# Altium PCB PCB.PcbDoc (continued)
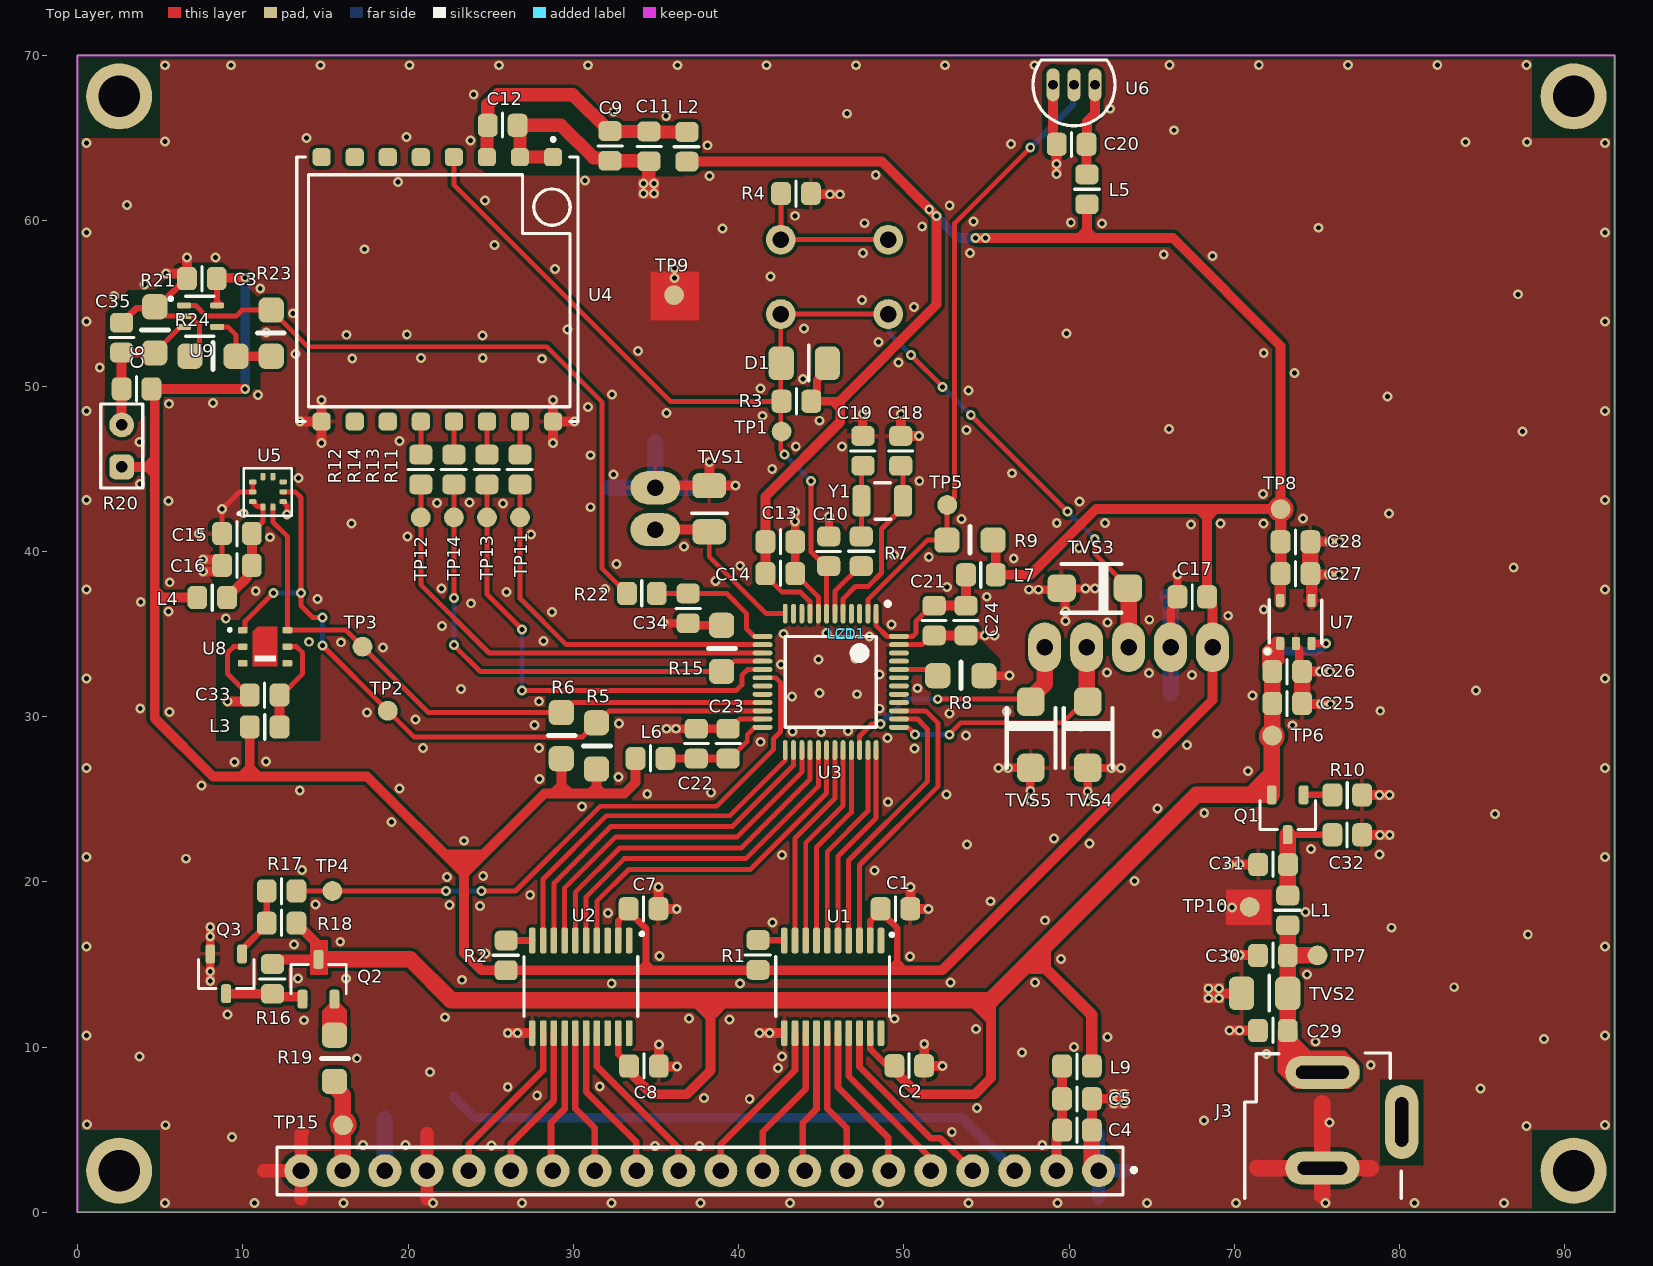
[diagram p0: Top Layer view]
## Nets (pads, with @x,y where several pads share a name; then routed paths per layer and width w, separated by ;. In a path a pad name is that pad's centre, name@x,y a point inside that pad or via, vN(x,y) a via of type N, cw(c..) or ccw(c..) an arc to the next point about the centre after c; other vN are vias at no path point)
+3V3: C1.1 C3.2 C6.1 C7.1 C13.2 C14.2 C17.2 C27.1 C28.1 D1.2 J2.1 L2.1 L3.2 L4.2 L5.2 L6.1 L7.1 R1.1 R2.1 R3.2 R5.2 R6.2 R9.2 R20.1 TP8.1 U1.2 U2.2 U3.9 U7.5 U9.5 | length 283.8
  Top Layer w0.3: C14.2 41.625,38.55 42.65,37.525 43.75,37.525 44.325,36.95 U3.9 ; C14.2@41.775,38.556 C14.2@41.775,38.575
  Top Layer w0.35: C3.2 8.45,56.475 U9.5
  Top Layer w0.4: U2.2 32.725,17.641 C7.1@33.33,18.245 ; C7.1@33.275,18.3 C7.1@33.33,18.245 ; C7.1 33.35,18.266 C7.1@33.33,18.245 ; 34.4,14.65 34.4,17.175 C7.1@33.33,18.245 ; U1.2 47.965,17.641 C1.1@48.59,18.266 ; C1.1 C1.1@48.59,18.266 ; 49.6,14.65 49.6,17.2 48.99,17.81 48.99,17.821 48.59,18.221 C1.1@48.59,18.266 ; TP8.1@72.212,42.55 cw(c72.795,42.55) 72.795,43.132 cw(c72.795,42.55) 73.377,42.55 cw(c72.795,42.55) 72.795,41.968 cw(c72.795,42.55) TP8.1@72.212,42.55
  Top Layer w0.5: D1.2 45.228,51.231 45.228,50.843 44.745,50.361 44.745,49.494 44.399,49.148 R3.2 46.125,49.075 46.15,49.1
  Top Layer w0.6: R20.1 4.655,45.105 4.675,45.125 ; C6.1 C6.1@4.675,49.825 ; L4.2 4.7,37.2 4.675,37.225 ; C3.2 8.475,56.55 v1(10.15,56.55) ; v1(10.15,49.825) C6.1@4.675,49.825 ; L3.2 10.425,26.4 10.45,26.375 ; R6.2 29.275,25.35 ; R5.2 31.4,25.375 31.375,25.35 ; L6.1 33.77,26.02 33.1,25.35 31.375,25.35 ; L2.1 48.675,63.575 v1(51.975,60.275) 51.975,54.925 46.15,49.1 46.15,47.835 41.625,43.31 C13.2 C14.2 ; v1(54.325,58.95) v1(54.95,58.95) 61.1,58.95 ; R9.2 55.56,40.512 L7.1 57.654,38.579 61.625,42.55 68.35,42.55 ; L5.2 61.075,58.975 61.1,58.95 ; 4.675,37.225 4.675,45.125 ; 4.675,37.225 4.675,29.9 8.2,26.375 10.45,26.375 ; 4.675,45.125 C6.1@4.675,49.825 ; 10.45,26.375 17.525,26.375 23.4,20.5 ; 23.4,20.5 28.25,25.35 29.275,25.35 ; 23.4,20.5 23.4,15.7 24.45,14.65 R2.1 34.4,14.65 49.6,14.65 52.325,14.65 68.681,31.006 J2.1 68.681,36.644 68.35,36.975 C17.2 68.35,42.55 ; 29.275,25.35 31.375,25.35 ; 61.1,58.95 66.275,58.95 72.795,52.43 72.795,43.132 TP8.1 72.212,42.55 68.35,42.55
  Top Layer w0.7: U7.5@72.77,36.875 U7.5 72.77,38.625 C27.1 C28.1 72.795,41.968 TP8.1
  Bottom Layer w0.6: v1(10.15,49.825) v1(10.15,56.55) ; v1(51.538,60.687) 53.275,58.95 v1(54.325,58.95) v1(54.95,58.95)
+5V: C2.2 C8.2 C25.1 C26.1 L9.1 Q1.2 Q2.3 R16.2 R18.2 TP6.1 U1.19 U2.19 U7.1 U7.3 | length 123
  Top Layer w0.4: U2.19 32.725,9.584 33.375,8.934 C8.2 ; U1.19 47.965,9.885 48.975,8.875 C2.2 ; 72.26,28.233 ccw(c72.26,28.815) 72.842,28.815 ccw(c72.26,28.815) 72.295,29.396 ccw(c72.26,28.815) 72.26,28.233
  Top Layer w0.5: C26.1 72.295,33.95 72.62,34.275 72.77,34.275 U7.1 ; U7.3 v1(75.545,34.425)
  Top Layer w0.6: R16.2 12.088,15.313 Q2.3 14.585,16.165 13.65,17.1 13.55,17.1 13.25,17.4 R18.2 ; C8.2 33.675,8.55 33.675,8.225 34.75,7.15 36.875,7.15 38.3,8.575 38.3,12.85 38.3,12.875 ; C2.2 49.725,8.575 49.725,8.275 50.85,7.15 54.3,7.15 55.275,8.125 55.275,12.85
  Top Layer w0.7: 57.875,15.45 61.375,11.95 L9.1
  Top Layer w1: Q2.3 20.137,15.313 22.6,12.85 38.3,12.85 55.275,12.85 57.875,15.45 67.688,25.263 Q1.2 72.26,28.233 72.26,28.815 TP6.1 72.295,29.396 C25.1 C26.1
  Bottom Layer w0.5: v1(71.995,33.95) 75.07,33.95 v1(75.545,34.425)
+5V_LCD: C4.1 C5.1 L9.2 LCD1.2 | length 6.5
  Top Layer w0.6: LCD1.2 59.245,4.424 59.275,4.453 59.275,4.675 C4.1 L9.2
ADC_PHOTO: R22.1 R23.2 U9.1 | length 40.2
  Top Layer w0.3: U9.1 7.15,54.875 7.8,54.225 9.6,54.225 9.975,54.6 11.719,54.6 R23.2 13.944,52.375 28.4,52.375 31.75,49.025 31.75,38.95 32.7,38 32.719,38 33.25,37.469 R22.1
DEBUG: J1.1 TVS1.2 U3.12 | length 10.7
  Top Layer w0.3: TVS1.2 38.225,39.675 41.675,36.225 U3.12
  Top Layer w0.6: J1.1 TVS1.2@38.097,41.306
GLCD_CS1_H: LCD1.15 U2.13 | length 9.4
  Top Layer w0.4: LCD1.15 26.225,4.175 28.825,6.775 U2.13
GLCD_CS2_H: LCD1.16 U2.12 | length 10.2
  Top Layer w0.4: LCD1.16 23.685,4.11 28.175,8.6 U2.12
GLCD_D0_H: LCD1.7 U1.15 | length 8.8
  Top Layer w0.4: U1.15 45.365,6.285 46.545,5.105 LCD1.7
GLCD_D1_H: LCD1.8 U1.14 | length 8.7
  Top Layer w0.4: LCD1.8 43.89,2.639 43.89,5.425 44.715,6.25 U1.14
GLCD_D2_H: LCD1.9 U1.13 | length 9.4
  Top Layer w0.4: LCD1.9 41.465,4.875 44.065,7.475 U1.13
GLCD_D3_H: LCD1.10 U1.12 | length 10.2
  Top Layer w0.4: LCD1.10 38.925,4.11 43.415,8.6 U1.12
GLCD_D4_H: LCD1.11 U2.17 | length 10.4
  Top Layer w0.4: U2.17 31.425,8.825 36.361,3.889 36.361,2.548 LCD1.11
GLCD_D5_H: LCD1.12 U2.16 | length 9.6
  Top Layer w0.4: U2.16 30.775,7.3 33.811,4.264 33.811,2.558 LCD1.12
GLCD_D6_H: LCD1.13 U2.15 | length 8.8
  Top Layer w0.4: U2.15 30.125,6.275 31.305,5.095 LCD1.13
GLCD_D7_H: LCD1.14 U2.14 | length 8.7
  Top Layer w0.4: LCD1.14 28.65,2.639 28.65,5.425 29.475,6.25 U2.14
GLCD_EN_H: LCD1.6 U1.16 | length 9.6
  Top Layer w0.4: U1.16 46.015,7.575 49.051,4.539 49.051,2.558 LCD1.6
GLCD_RS_H: LCD1.4 U1.18 | length 11.5
  Top Layer w0.4: U1.18 47.315,8.81 51.65,4.475 52.214,4.475 LCD1.4
GLCD_RW_H: LCD1.5 U1.17 | length 10.4
  Top Layer w0.4: U1.17 46.665,8.235 51.625,3.275 LCD1.5
GLCD_V0: LCD1.3 PR1.2 | length 35.8
  Bottom Layer w0.6: PR1.2 24,5.725 53.504,5.725 LCD1.3
GLCD_VEE: LCD1.18 PR1.3 | length 3.3
  Bottom Layer w0.6: PR1.3 PR1.3@18.605,5.659
  Bottom Layer w1: LCD1.18 PR1.3@18.605,5.659
GND: C1.2 C2.1 C3.1 C4.2 C5.2 C7.2 C8.1 C9.1 C10.1 C11.1 C12.1 C13.1 C14.1 C15.1 C16.1 C17.1 C18.1 C19.1 C20.1 C21.2 C22.2 C23.2 C24.2 C25.2 C26.2 C27.2 C28.2 C29.2 C30.2 C31.2 C32.2 C33.1 C34.1 C35.2 J1.2 J2.2 J3.2 LCD1.1 LCD1.17 LCD1.20 PR1.1 Q3.2 R4.1 R8.2 R10.1 R15.1 R21.1 R24.1 TP9.1 TP10.1 TVS1.1 TVS2.1 TVS3.1 TVS4.1 TVS5.1 U1.11 U2.11 U3.8 U3.23 U3.47 U4.1 U4.2 U4.9 U4.16 U5.3 U5.8 U5.9 U6.1 U7.2 U7.4 U8.2 U9.2 | length 227.4
  Top Layer w0.3: R21.1 4.8,54.794 5.369,54.225 U9.2 6.844,54.225 7.375,53.694 7.375,52.497 6.803,51.925 R24.1 ; C16.1 8.75,39.5 C15.1 v1(8.75,42.55) 9.8,43.6 U5.9 U5.8 ; U8.2 9.45,34.231 9.075,33.856 9.075,32.581 C33.1@10.387,31.269 ; U5.3 12.675,42.77 v1(12.675,42.225) ; C23.2 39.503,29.262 40.09,29.849 U3.23 ; C14.1 44.825,37.25 U3.8 ; U3.47 51.111,34.349 51.672,34.909 C21.2
  Top Layer w0.4: C35.2@2.721,53.825 3.175,54.279 3.175,54.325 3.547,54.697 4.578,54.697 R21.1 ; R21.1@4.8,54.794 4.869,54.794 6.137,56.062 6.233,56.062 6.625,56.454 C3.1 C3.1@6.625,56.575 ; C3.1@6.55,56.8 6.625,56.8 C3.1@6.671,56.8 ; TP9.1@36.125,56.082 cw(c36.1,55.5) 36.682,55.5 cw(c36.1,55.5) TP9.1@36.125,56.082 ; TP10.1@70.343,18.45 cw(c70.925,18.475) 71.507,18.475 cw(c70.925,18.475) TP10.1@70.343,18.45
  Top Layer w0.5: v1(8.035,14.013) v1(8.035,14.588) Q3.2 v1(8.035,16.7) v1(8.035,17.275) ; v1(35.45,35.65) C34.1 37.078,35.522 R15.1 ; v1(35.644,29.262) v1(36.219,29.262) C22.2 C23.2 ; C14.1 C13.1 v1(43.425,41.806) v1(43.425,42.381) ; C10.1 45.475,40.922 v1(45.475,42.1) ; C24.2 v1(54.914,34.909) v1(55.489,34.909) ; R8.2 v1(56.4,32.475) ; v1(55.719,26.9) v1(56.294,26.9) TVS5.1@57.45,26.9 ; v1(57.569,37.675) v1(58.144,37.675) TVS3.1@59.3,37.675 ; v1(57.65,24.919) v1(57.65,25.494) TVS5.1@57.65,26.65 ; v1(59.775,35.794) v1(59.775,36.369) TVS3.1@59.775,37.525 ; TVS3.1@59.825,37.75 v1(60.981,37.75) v1(61.556,37.75) ; v1(61.125,24.894) v1(61.125,25.469) TVS4.1@61.125,26.625 ; TVS4.1@61.4,26.893 v1(62.556,26.893) v1(63.131,26.893) ; J2.2 66.141,36.539 66.55,36.948 C17.1 v1(66.55,38.6) ; U7.2 73.72,34.275 73.916,34.079 73.916,32.904 C26.2 ; C27.2 C27.2@74.67,38.575
  Top Layer w0.6: v1(5.35,56.8) C3.1@6.55,56.8 ; C3.1@6.625,56.575 6.625,56.8 v1(6.625,57.775) ; v1(7.6,38.775) C16.1@8.9,38.775 ; v1(7.6,39.5) 8.75,39.5 C16.1@8.9,39.5 ; v1(9.075,30.9) C33.1@10.375,30.9 ; v1(13.475,47.85) U4.9 ; v1(14.775,46.55) U4.9 ; v1(14.775,49.15) U4.9 ; v1(26.035,10.85) v1(26.635,10.85) U2.11@27.41,10.85 ; v1(28.775,46.55) U4.16 ; v1(28.775,49.15) U4.16 ; v1(30.075,47.85) U4.16 ; J1.2 35.085,43.972 TVS1.1 38.229,43.968 38.236,43.975 v1(39.825,43.975) ; v1(35.16,19.696) 35.16,18.365 35.164,18.361 v1(36.26,18.361) ; v1(35.185,10.171) 35.185,8.84 35.189,8.836 v1(36.285,8.836) ; TP9.1@36.125,55.75 36.125,56.082 v1(36.125,56.525) v1(36.125,57.125) ; TVS1.1@38.236,44.314 v1(38.236,45.41) ; v1(41.275,10.85) v1(41.875,10.85) U1.11@42.65,10.85 ; R4.1@44.75,61.6 v1(45.525,61.6) v1(46.125,61.6) ; C19.1@47.514,46.967 v1(47.514,48.298) ; v1(49.825,48.298) 49.825,46.967 49.829,46.963 v1(50.925,46.963) ; v1(50.4,19.696) 50.4,18.365 50.404,18.361 v1(51.5,18.361) ; v1(51.235,10.196) 51.235,8.865 51.239,8.861 v1(52.335,8.861) ; C21.2 C24.2 ; U6.1 59.025,64.85 C20.1 ; v1(59.225,62.825) v1(59.225,63.425) C20.1@59.225,64.2 ; LCD1.1@61.375,2.934 LCD1.1 ; C4.2@61.375,4.875 C4.2 C5.2 61.378,6.878 62.953,6.878 62.981,6.906 ; 68.706,13.281 68.734,13.253 70.428,13.253 TVS2.1 ; v1(69.25,18.45) v1(69.85,18.45) 70.343,18.45 TP10.1@70.625,18.45 ; v1(69.7,11) v1(70.3,11) C29.2@71.075,11 ; v1(69.7,15.575) v1(70.3,15.575) C30.2@71.075,15.575 ; v1(69.7,21.039) v1(70.3,21.039) C31.2@71.075,21.039 ; C26.2@74.4,32.725 v1(75.175,32.725) v1(75.775,32.725) ; C25.2@74.45,30.75 v1(75.225,30.75) v1(75.825,30.75) ; C27.2@74.95,38.6 v1(75.725,38.6) v1(76.325,38.6) ; C28.2@74.975,40.6 v1(75.75,40.6) v1(76.35,40.6) ; R10.1@78,25.25 v1(78.775,25.25) v1(79.375,25.25) ; C32.2@78.025,22.825 v1(78.8,22.825) v1(79.4,22.825)
  Top Layer w0.7: U7.4@74.67,36.855 U7.4 C27.2@74.67,38.575
  Top Layer w0.8: 11.268,2.525 LCD1.20@13.525,2.525 ; 13.525,0.825 LCD1.20 13.525,4.781 13.62,4.875 ; 21.145,0.825 LCD1.17 21.145,4.781 ; U4.1 U4.2 26.775,65.625 C12.1 29.25,65.775 31.225,63.8 32.05,63.8 C9.1 34.55,63.625 C11.1 34.569,63.594 34.569,62.019 34.525,61.975 ; 62.981,6.906 63.025,6.95 ; 68.706,13.281 68.75,13.325
  Top Layer w1: LCD1.1@61.375,2.934 C4.2@61.375,4.875 ; 71.375,2.7 71.4,2.675 J3.2 ; C25.2 C26.2 ; C27.2 C28.2 ; 75.325,1 J3.2 ; 75.325,6.6 J3.2 ; 78.25,2.675 J3.2
  Bottom Layer w0.8: 11.268,2.525 LCD1.20@13.525,2.525 ; 13.525,0.825 LCD1.20 13.525,4.781 ; 21.145,0.825 LCD1.17 21.145,4.781 ; 61.785,0.825 LCD1.1 ; 61.785,4.781 LCD1.1 ; 63.484,2.524 LCD1.1
  Bottom Layer w1: 32.193,43.846 J1.2 ; 34.959,46.611 J1.2 ; 37.724,43.846 J1.2 ; 65.95,37.25 66.141,37.059 J2.2 66.141,31.425 ; 71.4,2.675 J3.2 ; 75.325,1 J3.2 ; 75.325,6.6 J3.2 ; 78.25,2.675 J3.2
  other v1: 5.3,0.575 10.7,0.575 16.1,0.575 21.5,0.575 26.9,0.575 32.3,0.575 37.7,0.575 43.1,0.575 48.5,0.575 53.9,0.575 59.3,0.575 64.7,0.575 70.1,0.575 75.5,0.575 80.9,0.575 86.3,0.575 34.95,4.025 37.625,4.025 25.05,4.045 17.275,4.075 19.845,4.075 58.375,4.075 9.35,4.55 52.9,4.875 87.675,5.225 5.325,5.275 92.425,5.3 0.575,5.329 75.75,5.45 68.15,5.55 54.425,6.325 62.706,6.581 63.331,6.581 40.675,6.85 37.9,6.925 27.818,7.075 62.706,7.181 63.331,7.181 84.9,7.5 26.035,7.575 31.6,7.625 21.325,8.5 42.375,8.725 78.25,8.925 16.9,9.325 3.75,9.445 42.638,9.445 71.95,9.575 57.15,9.677 60.3,10 74.9,10.325 88.725,10.499 62.325,10.625 0.55,10.7 92.425,10.7 54.375,11.1 13.7,11.625 39.45,11.675 49.425,11.718 36.991,11.741 22.25,11.808 9.075,11.975 68.431,12.956 69.056,12.956 68.431,13.556 69.056,13.556 83.3,13.625 32.325,13.85 40.075,13.85 52.825,13.904 57.925,13.9 23.275,14.075 13.35,14.162 16.25,14.146 74.4,14.4 59.5,15.341 50.375,15.488 35.225,15.52 24.7,15.658 0.55,16.1 92.425,16.1 13.1,16.2 15.9,16.375 87.75,16.825 79.5,17.225 42.05,17.55 58.55,17.675 32.107,18.125 74.295,18.175 24.344,18.55 22.507,18.6 14.4,18.625 55.25,18.825 27.395,19.2 63.95,20.05 22.35,20.3 24.55,20.35 48.225,20.675 13.575,20.725 6.575,21.4 0.55,21.5 92.425,21.5 42.638,21.625 78.775,21.645 74.637,22 53.825,22.25 61.225,22.325 23.375,22.486 59.079,22.63 19,23.625 85.775,24.1 68.175,24.175 65.35,24.45 30.525,24.55 49.05,24.825 52.575,25.275 34.475,25.325 38.325,25.4 13.45,25.525 19.475,25.659 7.5,25.825 27.95,26.213 32.725,26.332 70.828,26.7 0.55,26.9 92.425,26.9 9.5,27.25 11.415,27.275 50.65,28.075 20.9,28.1 27.925,28.1 67.125,28.275 41.325,28.475 49.016,28.7 53.75,28.85 65.325,28.962 45,29.05 43.275,29.1 46.625,29.125 60.725,29.4 73.506,29.475 27.646,29.5 32.775,29.569 20.45,29.825 52.75,30.184 17.525,30.246 5.563,30.275 56.225,30.3 78.825,30.35 48.525,30.475 3.8,30.5 27.925,30.925 43.225,31.218 71.1,31.275 47.175,31.35 44.889,31.425 84.625,31.579 23.2,31.675 50.826,31.712 0.55,32.3 92.425,32.3 67.425,32.521 48.525,32.55 64.825,32.625 62.3,32.675 42.56,33.15 44.825,33.454 47.075,33.5 18.475,34.175 15.95,34.495 14.021,34.525 28.2,34.575 47.915,34.835 42.725,35.01 45.326,35.05 22.05,35.483 49.25,35.575 62.325,35.7 64.85,35.86 8.975,35.925 69.625,36.1 28.7,36.325 5.52,36.35 71.775,36.475 23.8,36.855 3.831,36.925 14.525,37.108 55.016,37.25 25.968,37.525 10.789,37.6 0.55,37.7 31.909,37.716 92.425,37.7 22.025,37.74 52.606,37.84 5.585,38.125 38.6,38.21 86.9,39.025 40.1,39.125 32.625,39.225 56.65,39.575 51.508,39.65 49.415,39.775 60.6,40.2 36.7,40.3 11.655,40.85 19.975,40.9 27.45,41.025 7.35,41.075 67.363,41.625 69.15,41.675 71.757,41.675 16.575,41.691 59.25,41.71 62.175,41.71 53.5,41.95 74.15,41.975 10.055,42.3 79.35,42.294 31.05,42.666 25.75,42.9 21.75,42.925 23.725,42.951 60.625,43.025 5.52,43.05 0.55,43.1 92.425,43.1 71.725,43.475 3.775,44.075 50.934,44.25 13.387,44.425 32.425,44.64 56.55,44.721 42.035,44.975 31.05,45.811 43.462,46.345 46.25,46.35 3.75,46.6 19.475,46.679 87.425,47.25 53.8,47.35 66.034,47.4 44.9,47.9 41.443,48.2 35.65,48.375 0.55,48.5 92.425,48.5 30.9,48.725 5.55,48.925 8.2,48.975 79.275,49.375 10.935,49.45 32.352,49.494 53.9,49.725 41.325,49.85 43.896,50.425 73.625,50.775 1.35,51.125 49.688,51.425 28.1,51.65 16.625,51.675 20.775,51.7 24.523,51.7 13.194,51.925 71.775,52 33.91,52.125 48.475,52.675 24.5,53.05 16.275,53.1 19.925,53.126 59.85,53.175 11.425,53.225 29.65,53.42 43.95,53.475 0.55,53.9 92.425,53.9 13.05,54.4 50.615,54.775 47.462,55.2 2.2,55.45 87.15,55.55 11.06,55.9 4.066,56.15 41.929,56.625 28.9,57.075 8.35,57.775 68.681,57.875 65.725,57.95 47.525,58.05 54.005,58.05 17.375,58.275 25.225,58.525 0.55,59.3 92.425,59.3 39.025,59.525 75.1,59.575 51.111,59.65 61.985,59.825 47.625,59.85 60.1,59.89 54.225,59.965 43.406,60.3 52.775,60.925 3,60.95 24.65,61.225 34.25,61.65 34.875,61.65 34.25,62.25 34.875,62.25 19.4,62.35 30.7,62.425 38.25,62.7 48.3,62.76 38.125,64.565 56.475,64.65 0.55,64.7 92.425,64.7 83.975,64.752 87.7,64.775 5.3,64.8 23.775,64.85 13.85,65 19.9,65.058 66.35,65.475 35.623,66.325 46.559,66.475 32.425,66.6 62.475,66.775 23.975,67.65 5.3,69.407 9.3,69.407 14.7,69.407 20.1,69.407 25.5,69.407 30.9,69.407 36.3,69.407 41.7,69.407 47.1,69.407 52.5,69.407 57.9,69.407 66.075,69.425 71.475,69.425 76.875,69.425 82.275,69.425 87.675,69.425
I2C_SCL: R6.1 TP3.1 U3.21 U5.2 U8.6 | length 38.9
  Top Layer w0.3: U5.2 11.825,41.775 12.7,40.9 U8.6 16.244,35.231 21.228,30.247 R6.1 29.4,30.247 30.002,30.849 U3.21
I2C_SDA: R5.1 TP2.1 U3.22 U5.4 U8.1 | length 45.3
  Top Layer w0.3: U8.1 10.15,35.381 10.15,35.775 v1(11.85,37.475) ; U5.4 13.175,43.6 13.525,43.25 v1(13.525,37.475) 13.525,36.7 14.225,36 v1(14.825,36) ; v1(14.825,34.3) TP2.1 20.35,28.775 30.553,28.775 R5.1 31.461,29.622 32.188,30.349 U3.22
  Bottom Layer w0.3: v1(11.85,37.475) v1(13.525,37.475) ; v1(14.825,34.3) v1(14.825,36)
LCD_BRIGHT: R17.1 TP4.1 U3.18 | length 37.9
  Top Layer w0.3: R17.1 TP4.1 v1(22.3,19.45) ; v1(24.45,19.45) 26.5,19.45 31.625,24.575 38.675,24.575 42.125,28.025 42.125,28.675 42.548,29.098 42.548,32.052 42.251,32.349 U3.18
  Bottom Layer w0.3: v1(22.3,19.45) v1(24.45,19.45)
LCD_CS1: U2.8 U3.26 | length 21.8
  Top Layer w0.3: U2.8 28.825,19.902 32.273,23.35 39.623,23.35 43.325,27.052 U3.26
LCD_CS2: U2.9 U3.25 | length 22
  Top Layer w0.3: U2.9 28.175,20.171 32.004,24 39.475,24 42.825,27.35 U3.25
LCD_D0: U1.6 U3.35 | length 12.5
  Top Layer w0.3: U1.6 45.365,21.823 47.825,24.283 U3.35
LCD_D1: U1.7 U3.33 | length 12.4
  Top Layer w0.3: U1.7 44.715,22.092 46.825,24.202 U3.33
LCD_D2: U1.8 U3.32 | length 12.5
  Top Layer w0.3: U1.8 44.065,22.361 46.325,24.621 U3.32
LCD_D3: U1.9 U3.31 | length 12.5
  Top Layer w0.3: U1.9 43.415,22.63 45.825,25.04 U3.31
LCD_D4: U2.4 U3.30 | length 21.6
  Top Layer w0.3: U2.4 31.425,18.825 33.35,20.75 40.7,20.75 45.325,25.375 U3.30
LCD_D5: U2.5 U3.29 | length 21.6
  Top Layer w0.3: U2.5 30.775,19.094 33.081,21.4 40.431,21.4 44.825,25.794 U3.29
LCD_D6: U2.6 U3.28 | length 21.7
  Top Layer w0.3: U2.6 30.125,19.363 32.812,22.05 40.162,22.05 44.325,26.213 U3.28
LCD_D7: U2.7 U3.27 | length 21.8
  Top Layer w0.3: U2.7 29.475,19.633 32.542,22.7 39.892,22.7 43.825,26.633 U3.27
LCD_EN: U1.5 U3.36 | length 12.5
  Top Layer w0.3: U1.5 46.015,21.553 48.325,23.863 U3.36
LCD_RS: U1.3 U3.39 | length 17.8
  Top Layer w0.3: U1.3 47.315,21.015 52.075,25.775 52.075,29.6 51.326,30.349 U3.39
LCD_RW: U1.4 U3.38 | length 16.7
  Top Layer w0.3: U1.4@46.65,16.45 46.65,21.29 51.425,26.065 51.425,29.25 50.826,29.849 U3.38
LED_A: LCD1.19 R19.2 TP15.1 | length 9.8
  Top Layer w0.3: 16.065,4.659 ccw(c16.065,5.329) 16.736,5.329 ccw(c16.065,5.329) 16.065,5.999 ccw(c16.065,5.329) 16.065,4.659
  Top Layer w1: R19.2 15.55,7.6 16.065,7.085 16.065,5.999 TP15.1 16.065,4.659 LCD1.19
NetC6_2: C6.2 C35.1 R20.2 R21.2 U9.3 | length 8.8
  Top Layer w0.3: R21.2 4.675,52.029 6.175,53.529 6.175,53.55 6.2,53.575 U9.3
  Top Layer w0.6: R20.2 C6.2 C35.1 2.686,52.014 4.661,52.014 R21.2
NetC9_2: C9.2 C11.2 C12.2 L2.2 U4.3 | length 16.4
  Top Layer w0.8: U4.3 24.775,65.725 C12.2 24.825,67.025 25.425,67.625 29.975,67.625 32.2,65.4 C9.2 32.25,65.4 C11.2 34.6,65.375 L2.2
NetC15_2: C15.2 C16.2 L4.1 U5.1 U5.10 | length 7.3
  Top Layer w0.3: C15.2 10.55,41.126 11.225,41.801 U5.1 11.225,42.714 10.891,42.714 10.68,42.925 10.68,43 U5.10
  Top Layer w0.6: L4.1 9.05,37.3 9.35,37.6 9.45,37.6 10.25,38.4 10.25,39.175 10.55,39.475 C15.2
NetC19_2: C19.2 R7.1 Y1.2 | length 4.3
  Top Layer w0.3: R7.1 47.425,43.05 47.425,45.078 C19.2
NetC20_2: C20.2 L5.1 U6.3 | length 5.6
  Top Layer w0.6: L5.1 61.062,62.813 61.062,64.613 C20.2 61.075,64.65 61.075,66 61.565,66.49 U6.3
NetC21_1: C21.1 C24.1 L7.2 U3.1 U3.48 | length 9.5
  Top Layer w0.3: U3.1 48.325,35.5 48.976,34.849 U3.48 50.524,34.849 50.725,35.05 50.725,35.75 51.684,36.709 C21.1
  Top Layer w0.6: C21.1 C24.1 53.758,38.577 L7.2
NetC22_1: C22.1 C23.1 L6.2 U3.24 | length 6.9
  Top Layer w0.3: C23.1@39.426,27.401 40.525,28.5 40.525,28.9 40.974,29.349 U3.24
  Top Layer w0.5: L6.2 C22.1 39.362,27.464 C23.1
NetC29_1: C29.1 C30.1 J3.1 L1.1 TP7.1 TVS2.2 | length 11.9
  Top Layer w0.3: C29.1 73.582,10.643 73.582,10.218 74.051,9.749 74.051,9.26 74.836,8.475 J3.1
  Top Layer w1: C29.1 C30.1 ; L1.1 C30.1 ; TP7.1 C30.1
NetC31_1: C31.1 C32.1 L1.2 Q1.3 | length 6.4
  Top Layer w0.4: Q1.3 C32.1
  Top Layer w1: L1.2 73.225,21.039 C31.1 73.225,21.061 Q1.3
NetC33_2: C33.2 L3.1 U8.5 | length 6.1
  Top Layer w0.3: C33.2@12.312,31.269 13.625,32.581 13.625,33.856 13.25,34.231 U8.5
  Top Layer w0.6: L3.1 C33.2
NetC34_2: C34.2 R22.2 U3.13 | length 8
  Top Layer w0.3: R22.2 C34.2 39.275,37.45 40.475,36.25 40.475,35.325 40.951,34.849 U3.13
NetQ1_1: Q1.1 R10.2 | length 1.7
  Top Layer w0.4: Q1.1 R10.2
NetQ2_1: Q2.1 Q3.3 R16.1 | length 4.8
  Top Layer w0.6: Q3.3 11.794,13.231 R16.1 R16.1@11.806,13.231 ; R16.1@11.8,13.05 13.62,13.05 Q2.1
NetQ2_2: Q2.2 R19.1 | length 2.2
  Top Layer w0.6: R19.1 Q2.2
NetQ3_1: Q3.1 R17.2 R18.1 | length 4.8
  Top Layer w0.4: Q3.1 9.965,15.919 10.065,16.019 10.069,16.019 11.45,17.4 R18.1 ; R18.1@11.2,17.75 R18.1 ; R17.2 R18.1
NetR1_2: R1.2 U1.10 | length 1.6
  Top Layer w0.4: R1.2@41.179,16.463 42.765,16.463 U1.10
NetR2_2: R2.2 U2.10 | length 1.6
  Top Layer w0.4: R2.2 U2.10
NetR4_2: R4.2 SW1.1 SW1.2 | length 9.3
  Top Layer w0.3: R4.2 42.574,58.878 SW1.2 SW1.1
NetR8_1: R8.1 U3.44 | length 2.5
  Top Layer w0.3: U3.44 51.676,32.849 R8.1
NetR11_2: R11.2 U4.15 | length 2
  Top Layer w0.3: R11.2 U4.15
NetR12_2: R12.2 U4.12 | length 2
  Top Layer w0.3: R12.2 U4.12
NetR13_2: R13.2 U4.14 | length 2
  Top Layer w0.3: R13.2 U4.14
NetR14_2: R14.2 U4.13 | length 2
  Top Layer w0.3: R14.2 U4.13
NetR23_1: R23.1 R24.2 U9.4 | length 4.8
  Top Layer w0.3: U9.4 9.1,53.575 9.6,53.075 9.6,51.803 R24.2
  Top Layer w0.6: R24.2 R23.1
nRESET: C10.2 D1.1 J2.3 R3.1 SW1.3 SW1.4 TP1.1 TVS3.2 U3.7 U4.4 | length 79.7
  Top Layer w0.3: U4.4 22.775,62.175 35.875,49.075 R3.1@42.553,49.075 ; R3.1 R3.1@42.553,49.075 ; v1(42.775,45.855) 42.775,45.936 42.553,46.158 42.553,47.2 TP1.1 42.553,47.3 R3.1@42.553,49.075 ; v1(44.38,44.25) 44.38,39.97 C10.2@45.352,38.998 ; C10.2@44.996,39.539 45.435,39.1 C10.2 45.325,38.972 U3.7 ; SW1.3 SW1.4 R3.1@42.553,49.075 ; v1(50.425,51.875) v1(52.35,49.95) ; v1(54.05,48.25) v1(59.899,42.401) ; v1(61.55,40.75) 61.55,39.85 TVS3.2@63.601,37.799
  Top Layer w1: J2.3 TVS3.2@63.601,37.799
  Bottom Layer w0.3: v1(42.775,45.855) v1(44.38,44.25) ; SW1.3 49.118,54.29 49.118,53.182 v1(50.425,51.875) ; v1(52.35,49.95) v1(54.05,48.25) ; v1(59.899,42.401) v1(61.55,40.75)
OSC_IN: C18.2 U3.5 Y1.1 | length 11
  Top Layer w0.3: U3.5 46.325,37.125 47.075,37.875 47.843,37.875 48.65,38.682 48.65,41.35 49.95,42.65 Y1.1 49.95,45.043 C18.2
OSC_OUT: R7.2 U3.6 | length 3.6
  Top Layer w0.3: U3.6 45.825,37.575 47.35,39.1 R7.2
OWIRE: R9.1 TP5.1 U3.2 U6.2 | length 37.9
  Top Layer w0.3: U3.2 47.825,37.075 51.425,40.675 R9.1 52.603,42.778 TP5.1 53.075,43.25 53.075,59.85 v1(57.65,64.425)
  Bottom Layer w0.4: v1(57.65,64.425) 60.245,67.02 60.245,68.175 U6.2
SPI_CS: R11.1 TP11.1 U3.14 | length 22.7
  Top Layer w0.3: R11.1 TP11.1 26.775,37.15 29.576,34.349 U3.14
SPI_MISO: R14.1 R15.2 TP14.1 U3.16 | length 29.4
  Top Layer w0.3: v1(22.775,34.325) 24.372,32.728 R15.2 39.1,32.728 39.721,33.349 U3.16 ; v1(22.775,37.162) TP14.1 ; R14.1 TP14.1 ; TP14.1@22.875,42.05 TP14.1
  Bottom Layer w0.3: v1(22.775,34.325) v1(22.775,37.162)
SPI_MOSI: R13.1 TP13.1 U3.17 | length 28.8
  Top Layer w0.3: R13.1 TP13.1 24.775,37.4 v1(26.9,35.275) ; v1(26.9,31.575) 39.855,31.575 40.2,31.92 40.2,32.5 40.549,32.849 U3.17
  Bottom Layer w0.3: v1(26.9,31.575) v1(26.9,35.275)
SPI_SCK: R12.1 TP12.1 U3.15 | length 28.5
  Top Layer w0.3: R12.1 TP12.1 20.775,37.975 24.901,33.849 U3.15
SWCLK: J2.4 TVS4.2 U3.37 | length 15.6
  Top Layer w0.3: U3.37 50.251,29.349 v1(50.675,28.925) ; v1(52.75,28.9) 52.75,28.925 53.45,29.625 59.618,29.625 TVS4.2@61.061,31.068
  Top Layer w1: TVS4.2@61.061,31.068 J2.4
  Bottom Layer w0.3: v1(50.675,28.925) 52.775,28.925 v1(52.75,28.9)
SWDIO: J2.5 TVS5.2 U3.34 | length 15.1
  Top Layer w0.3: U3.34 47.325,28.825 48.051,29.551 v1(48.577,29.551) ; v1(52.05,31.05) TVS5.2@57.225,31.05
  Top Layer w1: TVS5.2@57.675,31.132 58.521,31.978 J2.5
  Bottom Layer w0.3: v1(48.577,29.551) 50.076,31.05 v1(52.05,31.05)
pads on no net: J3.3 LCD1.MH1 LCD1.MH2 LCD1.MH3 LCD1.MH4 U1.1 U1.20 U2.1 U2.3 U2.18 U2.20 U3.3 U3.4 U3.10 U3.11 U3.19 U3.20 U3.40 U3.41 U3.42 U3.43 U3.45 U3.46 U4.5 U4.6 U4.7 U4.8 U4.10 U4.11 U5.5 U5.6 U5.7 U8.3 U8.4

## Polygon pours and split planes (outlines as drawn)
GND on Bottom Layer "BOTTOM_GND" (solid, remove dead copper, pour order 8): 0,0 93,0 93,69.999 92.999,70 0,70
no net on Bottom Layer "BOTTOM_GND" (solid, pour order 2): 29.065,2.726
GND on Top Layer "TOP_GND" (solid, remove dead copper, pour order 6): 0.001,69.999 93,69.999 93,0 0,0
no net on Top Layer "TOP_GND" (solid, remove dead copper, pour order 4): -72.985,45.324

## Keep-outs
Keep-Out Layer:
  lines w0.1: 0,70 0,0 93,0 93,70 ; 0.001,69.999 93,69.999

## Other copper
Top Layer:
  rectangle net GND: 34.675,53.95 37.6,56.925
  rectangle net GND: 69.5,17.375 72.234,19.525
  rectangle net +5V: 14.075,14.35 15.15,16.475
  rectangle net GND: 68.131,12.656 69.356,13.856
  rectangle net GND: 62.406,6.281 63.631,7.481
  rectangle net GND: 33.95,61.35 35.175,62.55
  pour cut-out: 8.75,38.11 7.55,38.11 7.55,36.29 8.75,36.29
  pour cut-out: 37.678,27.225 37.678,28.425 35.859,28.425 35.859,27.225
  pour cut-out: 35.715,27.85 35.715,26.65 37.535,26.65 37.535,27.85
  pour cut-out: 37.515,27.873 37.515,26.673 39.335,26.673 39.335,27.873
  pour cut-out: 60.165,62.5 60.165,61.3 61.985,61.3 61.985,62.5
  pour cut-out: 44.074,62.56 42.874,62.56 42.874,60.74 44.074,60.74
  pour cut-out: 32.615,63.975 32.615,62.775 34.435,62.775 34.435,63.975
  pour cut-out: 34.84,63.9 34.84,62.7 36.66,62.7 36.66,63.9
  pour cut-out: 35.965,65.075 35.965,63.875 37.785,63.875 37.785,65.075
  pour cut-out: 36.65,38.36 35.45,38.36 35.45,36.54 36.65,36.54
  pour cut-out: 34.75,38.36 33.55,38.36 33.55,36.54 34.75,36.54
  pour cut-out: 35.27,28.374 34.07,28.374 34.07,26.554 35.27,26.554
  pour cut-out: 12.716,13.531 12.716,14.731 10.896,14.731 10.896,13.531
  pour cut-out: 12.95,20.36 11.75,20.36 11.75,18.54 12.95,18.54
  pour cut-out: 14.06,19.45 10.64,19.45 10.64,16.59 14.06,16.59
  pour cut-out: 34.885,9.75 33.685,9.75 33.685,7.93 34.885,7.93
  pour cut-out: 50.925,9.785 49.725,9.785 49.725,7.965 50.925,7.965
  pour cut-out: 50.09,19.285 48.89,19.285 48.89,17.465 50.09,17.465
  pour cut-out: 40.269,16.163 40.269,14.963 42.089,14.963 42.089,16.163
  pour cut-out: 34.85,19.285 33.65,19.285 33.65,17.465 34.85,17.465
  pour cut-out: 26.849,14.95 26.849,16.15 25.029,16.15 25.029,14.95
  pour cut-out: 44.099,50.058 42.899,50.058 42.899,48.238 44.099,48.238
  pour cut-out: 48.434,45.477 48.434,46.677 46.615,46.677 46.615,45.477
  pour cut-out: 50.725,45.477 50.725,46.677 48.905,46.677 48.905,45.477
  pour cut-out: 66.85,36.34 68.05,36.34 68.05,38.16 66.85,38.16
  pour cut-out: 73.095,37.74 74.295,37.74 74.295,39.56 73.095,39.56
  pour cut-out: 73.095,39.665 74.295,39.665 74.295,41.485 73.095,41.485
  pour cut-out: 72.595,29.89 73.795,29.89 73.795,31.71 72.595,31.71
  pour cut-out: 71.736,20.14 72.936,20.14 72.936,21.96 71.736,21.96
  pour cut-out: 76.225,24.353 77.425,24.353 77.425,26.173 76.225,26.173
  pour cut-out: 76.225,21.94 77.425,21.94 77.425,23.76 76.225,23.76
  pour cut-out: 72.315,18.875 72.315,17.675 74.135,17.675 74.135,18.875
  pour cut-out: 70.56,15.15 70.56,10.84 71.342,10.058 73.273,10.058 73.273,16.473 73.314,16.514 71.125,16.514
  pour cut-out: 59.875,9.76 59.889,9.746 61.375,9.746 61.375,4.591 61.203,4.763 59.525,4.763
  pour cut-out: 53.248,37.72 53.298,37.669 55.26,37.669 56.07,38.479 56.07,39.44 53.415,39.44 53.2,39.225
  pour cut-out: 50.524,34.849 54.483,34.849 55.872,33.459 55.872,31.715 55.207,31.05 52.05,31.05 52.05,31.7 50.775,32.975
  pour cut-out: 42.256,34.849 43.75,36.343 43.75,38.325 41.111,38.325 39.741,36.955 40.09,36.606 40.09,34.835
  pour cut-out: 20.375,43.24 27.132,43.24 27.646,43.754 27.646,46.345 27.331,46.66 20.219,46.66 19.904,46.345 19.904,43.555
  pour cut-out: 28.302,31.625 28.302,25.692 28.694,25.3 32.5,25.3 32.5,31.175 32,31.675
  pour cut-out: 8.374,35.865 14.707,35.865 14.707,28.514 8.376,28.514
  pour cut-out: 9.806,45.1 13.194,45.1 13.194,42.025 9.882,42.025 9.807,42.1
  pour cut-out: 1.713,54.435 3.078,55.8 4.66,55.8 6.325,57.465 8.798,57.465 11.1,55.163 11.1,49.8 5.67,49.8 3.515,47.645 1.647,47.645
  region net +3V3: 8.05,54.925 8.45,55.325 8.475,55.325 8.875,54.925
  region net +3V3: 33.548,14.498 34.4,15.35 35.231,14.519
  region net +3V3: 48.748,14.573 49.6,15.425 50.431,14.594
  region net +3V3: 69.202,42.502 68.35,41.65 67.519,42.481
  region net +3V3: 30.523,25.273 31.375,26.125 32.206,25.294
  region net +3V3: 28.423,25.398 29.275,26.25 30.106,25.419
  region net +3V3: 4.677,44.273 3.825,45.125 4.656,45.956
  region net +3V3: 67.335,42.55
  region net +3V3: 67.65,42.575
  pour cut-out: 78.825,8.025 81.425,8.025 81.425,2.875 81.4,2.85 78.825,2.85
  pour cut-out: 18.606,3.723 18.617,3.735 62.811,3.735 63.034,3.512 63.034,2.496 61.786,1.248 61.731,1.303 13.526,1.303 13.526,3.705
  pour cut-out: 18.605,3.734
  pour cut-out: 15.359,3.494
  pour cut-out: 13.931,3.7
  pour cut-out: 59.375,4.125 61.963,4.125 62.197,4.359 63.034,3.522 63.034,2.651 62.676,2.651 61.379,1.354 59.559,1.354 59.559,1.366 58.825,2.1
  pour cut-out: 59.152,69.468 59.183,69.437 61.565,69.437 61.565,66.49 61.062,65.988 61.062,64.613 59.262,64.613 59.25,64.625 58.785,64.625 58.385,65.025 58.385,68.835 58.55,69
  pour cut-out: 24.825,67.025 31.175,67.025 36.835,62.76 24.831,62.76 24.5,63.091
  region net +3V3: 9.573,26.448 10.425,27.3 11.256,26.469
  region net +3V3: 61.061,59.575 60.825,59.575 60.25,59 61.85,59 61.125,59.725
  region net +3V3: 45.525,49.075 45.525,48.898 46.125,48.298 46.15,48.323 46.15,49.1
  pour cut-out: 0,5 5,5 5,0 0,0
  pour cut-out: 88,0 88,5 93,5 93,0
  pour cut-out: 93,64.999 88,64.999 88,69.999 93,69.999
  pour cut-out: 5,70 5,65 0,65 0,70
  region net +3V3: 4.665,38.066 5.516,37.215 4.685,36.384
  region net +3V3: 24.867,21.967 23.4,20.5 21.968,21.932
  region net +5V: 39.741,12.889 38.273,11.422 36.842,12.854
  region net +5V: 53.387,13.087 55.463,13.087 55.463,11.063
  region net +5V: 72.412,27.413 72.412,25.337 70.387,25.337
  region net +5V: 58.875,16.525 58.875,14.45 56.85,14.45
  region net NetQ2_2: 15.25,12.85 15.25,12.65 14.8,12.2 14.8,10.65 16.3,10.65 16.3,12.225 15.85,12.675 15.85,12.85
  region net +5V: 73.02,34.35 73.02,33.3 72.72,33 71.695,33 71.695,34.1 72.42,34.825 72.82,34.825
  region net NetC29_1: 72.625,11.025 72.625,8.5 73.65,7.475 76.975,7.475 77.575,8.075 77.575,8.875 76.675,9.775 74.575,9.775 73.825,10.525 73.825,11.025
Bottom Layer:
  rectangle net GND: 68.131,12.656 69.356,13.856
  rectangle net GND: 62.406,6.281 63.631,7.481
  rectangle net GND: 33.95,61.35 35.175,62.55
  pour cut-out: 58.825,69.325 59.325,69.325 59.8,68.85 59.8,66.575 58.65,65.425 58.55,65.425 58.4,65.575 58.4,68.625
  pour cut-out: 58.898,69.468
  pour cut-out: 78.825,8.025 81.425,8.025 81.425,2.875 81.4,2.85 78.825,2.85
  pour cut-out: 18.605,3.734 18.617,3.745 62.81,3.745 63.034,3.522 63.034,2.507 61.785,1.259 61.731,1.313 13.525,1.313 13.525,3.715
  pour cut-out: 5,70 5,65 0,65 0,70
  pour cut-out: 93,64.999 88,64.999 88,69.999 93,69.999
  pour cut-out: 88,0 88,5 93,5 93,0
  pour cut-out: 0,5 5,5 5,0 0,0